# Altium PCB PCB_CK.PcbDoc
Units mm, origin at the board's own origin, x right, y up, seen from the top; angles counter-clockwise.
Board outline 48.06 x 29.99 mm, 2 copper layers (Top Layer, Bottom Layer); 23 components, 31 nets, 82 pads, 71 vias.
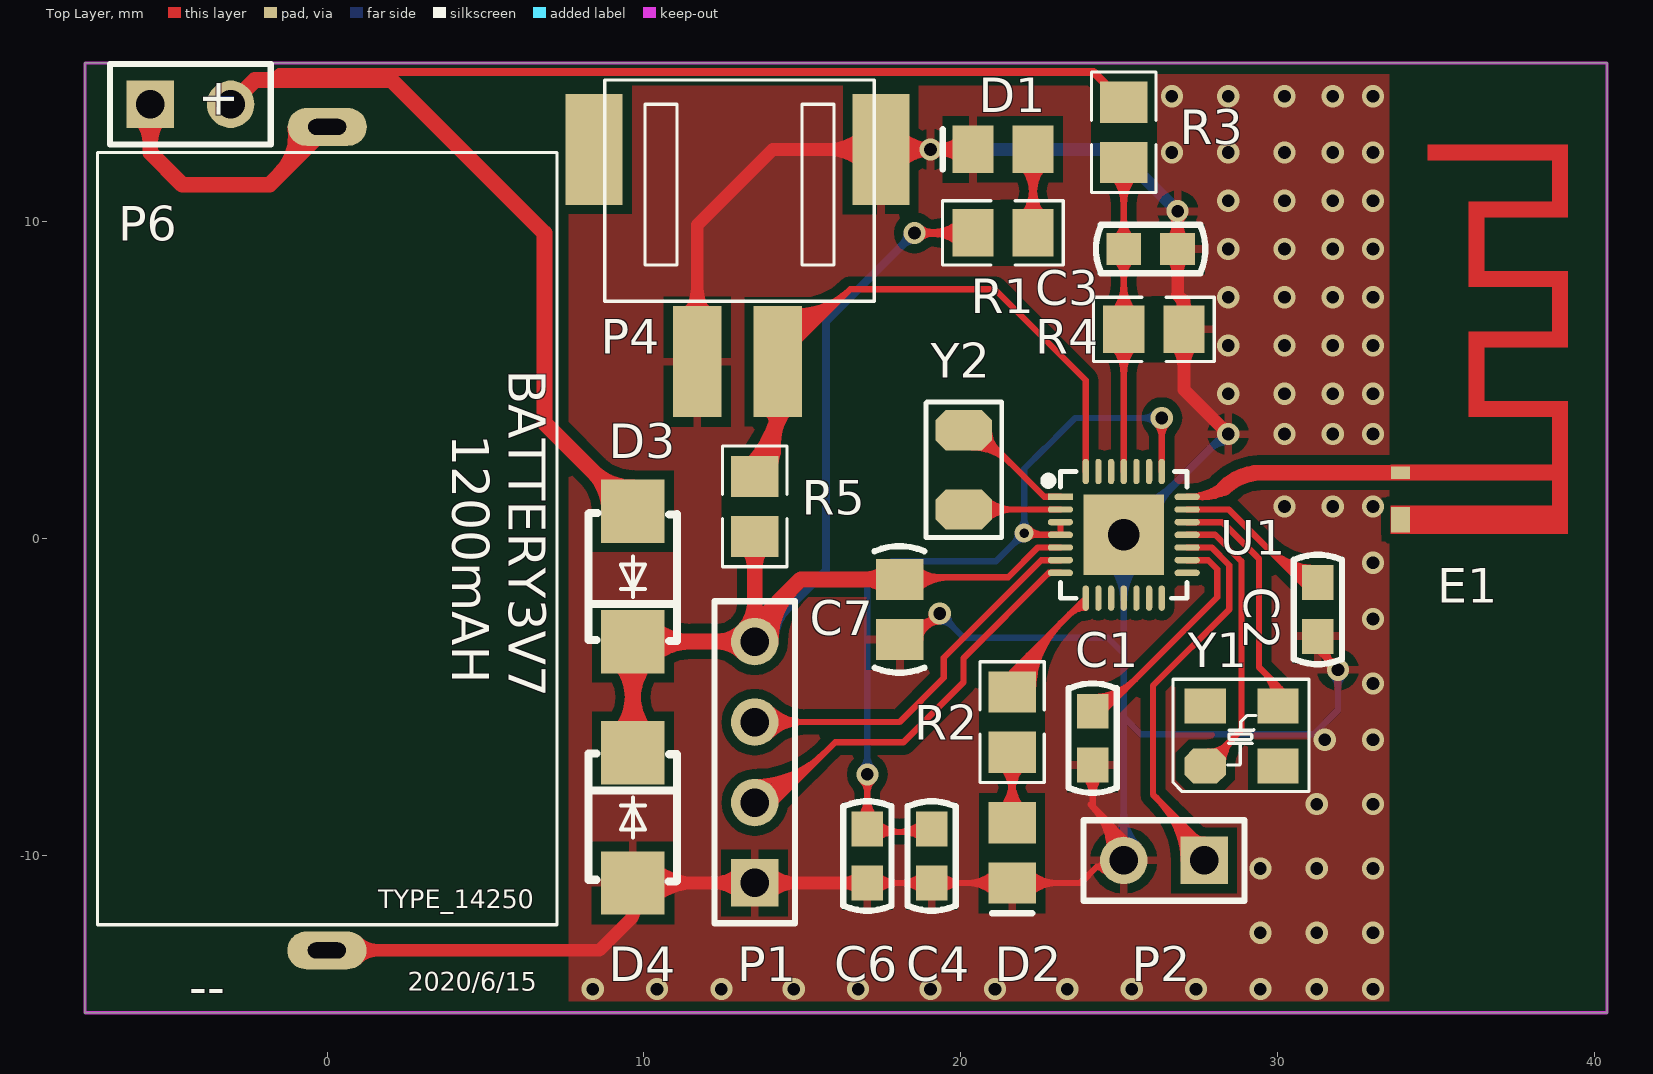
[diagram p0: Top Layer view]
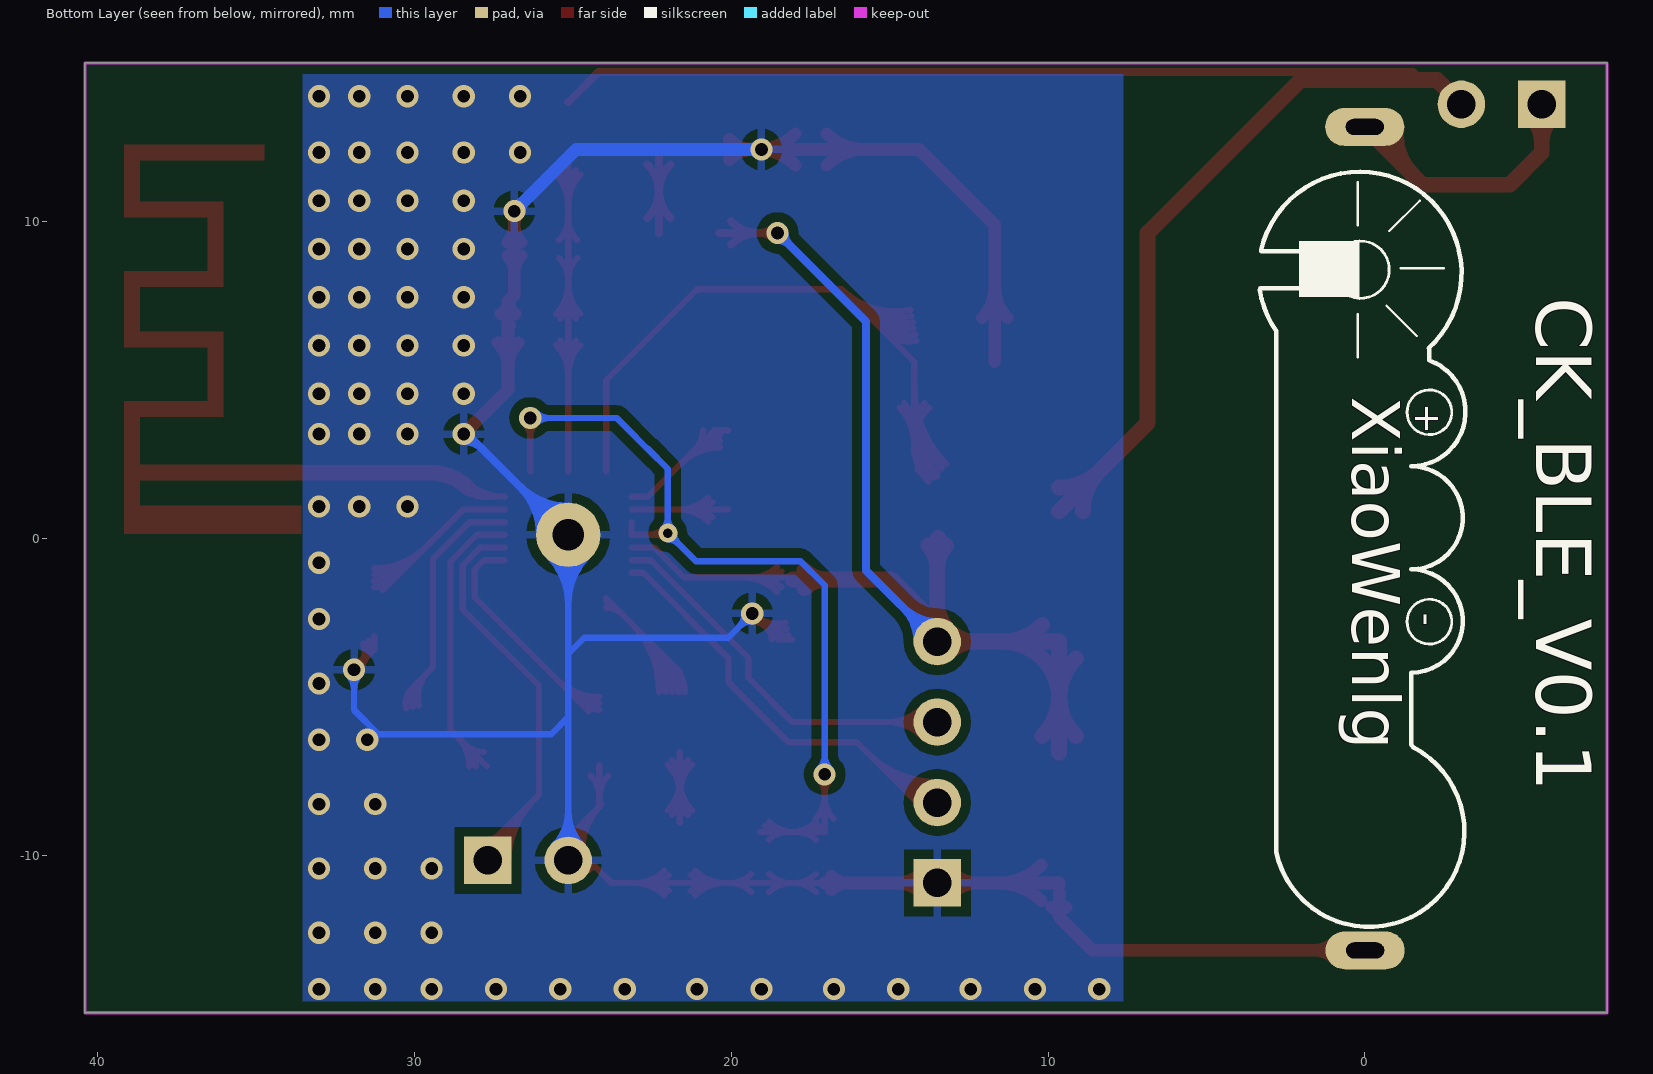
[diagram p1: Bottom Layer view, seen from below]

## Layer stack, top to bottom
Top Layer: signal copper 0.0356
Dielectric: dielectric 0.32, FR-4, Dk 4.8
Bottom Layer: signal copper 0.0356

## Board outline
-7.65,15.02 40.41,15.02 40.41,-14.97 -7.65,-14.97

## Design rules (kind name [scope] priority, off if disabled: settings)
Clearance [All] p1: gap=0.1
ComponentClearance [All] p1: gap=0.254 collisioncheckmode=3 verticalgap=0.254
PolygonConnect [All] p1: connectstyle=Relief reliefconductorwidth=0.254 reliefentries=4 polygonreliefangle="90 Angle"
RoutingVias [All] p1: holewidth=0.4 width=0.7 viastyle="Through Hole" minholewidth=0.3 minwidth=0.5 maxholewidth=0.6 maxwidth=1.5
SolderMaskExpansion [All] p1: expansion=0.102
TestPointUsage [All] p1: valid=0 allowmultiple=FALSE
Testpoint [All] p1: side=15 testpointundercomponent=TRUE minsize=1.016 maxsize=2.54 preferedsize=1.524 minholesize=0 maxholesize=1.016 preferedholesize=0.813 testpointgrid=0.025 style=1023 order=0123456789
Width [All] p1: maxlimit=1.5 minlimit=0.127 preferedwidth=0.254 minimp=50.000000 maximp=50.000000 favimp=50.000000
18 further rules are at their usual default settings.

## Components (designator, comment, footprint, x,y, rotation, side; value= is the part's Value field where it differs from the comment)
C1 "Cap" C-RAD-0603 24.166,-6.3 r270 top
C2 "Cap" C-RAD-0603 31.278,-2.236 r270 top
C3 "Cap" C-RAD-0603 26,9.144 r180 top
C4 "Cap" C-RAD-0603 19.086,-10.022 r270 top
C6 "Cap" C-RAD-0603 17.054,-10.022 r90 top
C7 "Cap" C-RAD-0805 18.07,-2.236 r90 top
D1 "LED0" LED_0805 21.336,12.288 r180 top
D2 "LED0" LED_0805 21.626,-9.922 r270 top
D3 "SK34_C65008" SMA_L4.3-W2.6-LS5.2-RD 9.652,-1.195 r90 top
D4 "TVS" SMA_L4.3-W2.6-LS5.2-RD 9.652,-8.815 r270 top
E1 "ANTENNA" ANT-F-1-2.4G-1.6 33.881,2.082 r270 top
P1 "Header 4" HDR1X4 13.498,-10.872 r90 top
P2 "Header 2" HDR2X1_A 27.69,-10.16 r180 top
P4 "磁控开关" XH2.54 11.684,5.588 r0 top
P6 "Header 2" HDR2X1_A -5.588,13.716 r0 top
R1 "1K" 0805-1 21.336,9.652 r180 top
R2 "1K" 0805-1 21.626,-5.792 r90 top
R3 "54.9K" 0805-1 25.15,12.83 r90 top
R4 "110K" 0805-1 26.1,6.604 r180 top
R5 "10K" 0805-1 13.498,1.016 r90 top
U1 "CH579F" QFN28_4X4 23.15,1.32 r270 top
Y1 "32M" 3225 27.722,-5.284 r0 top
Y2 "32.768K" fc-135 20.102,0.92 r90 top

## Footprints (in the part's own frame and the unit in brackets; to place one, negate y for a bottom-side part, rotate by r counter-clockwise, add the part's x,y. Pads: shape width x height; smd on the part's side, far side on the other; paste and mask are expansions set on the pad)
0805-1 [mm] "贴片带丝印"
  rect 1.3x1.5 smd: 1(-0.95,0) 2(0.95,0)
  silkscreen extent -1.91,-1.02 1.91,1.02, body extent -1.14,-0.51 1.14,0.51, height 1
3225 [mm]
  oct 1.3x1.1 smd: 1(0,-1.9)
  rect 1.3x1.1 smd: 2(2.3,-1.9) 3(2.3,0) 4(0,0)
  silkscreen extent -1.02,-2.7 3.27,0.84
ANT-F-1-2.4G-1.6 [mm]
  rect 0.8x0.6 smd: 0(1.483,0)
  rect 0.4x0.6 smd: 1(0,0)
  Top Layer region: -9.86,4.976 -10.36,4.976 -10.36,0.856 -9.86,0.856
  Top Layer region: -8.06,5.296 -10.36,5.296 -10.36,4.796 -8.06,4.796
  Top Layer region: -8.061,4.977 -8.561,4.977 -8.561,2.157 -8.061,2.157
  Top Layer region: -5.875,2.658 -8.364,2.658 -8.364,2.158 -5.875,2.158
  Top Layer region: -5.861,4.977 -6.361,4.977 -6.361,2.157 -5.861,2.157
  Top Layer region: -3.961,5.297 -6.361,5.297 -6.361,4.797 -3.961,4.797
  Top Layer region: -3.96,4.976 -4.46,4.976 -4.46,2.156 -3.96,2.156
  Top Layer region: -1.85,2.651 -4.39,2.651 -4.39,2.156 -1.85,2.156
  Top Layer region: -1.759,4.978 -2.259,4.978 -2.259,2.158 -1.759,2.158
  Top Layer region: 1.94,5.296 -2.26,5.296 -2.26,4.796 1.94,4.796
  Top Layer region: 1.94,5.002 1.04,5.002 1.04,-0.304 1.94,-0.304
  Top Layer region: 0.24,5.027 -0.26,5.027 -0.26,-0.304 0.24,-0.304
C-RAD-0603 [mm] "贴片电容"
  rect 1.1x1 smd: 1(-0.85,0) 2(0.85,0)
  silkscreen extent -1.73,-0.76 1.73,0.76, body extent -1.14,-0.38 1.14,0.38, height 1
C-RAD-0805 [mm] "贴片电容"
  rect 1.3x1.5 smd: 1(-0.95,0) 2(0.95,0)
  silkscreen extent -2,-0.79 2,0.79, body extent -1.27,-0.64 1.27,0.64, height 0.9
fc-135 [mil]
  oct 50x70 smd: 1(0,0) 2(98.43,0)
  silkscreen extent -35,-47 133,47
HDR1X4 [mm] "Connector; Header; 4 Position"
  rect 1.5x1.5 hole 0.9: 1(0,0)
  round 1.5 hole 0.9: 2(2.54,0) 3(5.08,0) 4(7.62,0)
  silkscreen extent -1.27,-1.27 8.89,1.27
HDR2X1_A [mm] "Connector; Header; 2 Position"
  rect 1.5x1.5 hole 0.9: 1(0,0)
  round 1.5 hole 0.9: 2(2.54,0)
  silkscreen extent -1.27,-1.27 3.81,1.27
LED_0805 [mm] "贴片二极管"
  rect 1.3x1.5 smd: 1(-0.95,0) 2(0.95,0)
  silkscreen extent 1.91,-0.63 1.91,0.64
QFN28_4X4 [mm]
  rect 2.54x2.54 smd: 0(1.2,2)
  round 2.032 hole 1: 0(1.2,2)
  rect 0.2x0.8 smd: 1(0,0)
  oval 0.2x0.8 smd: 2(0.4,0) 3(0.8,0) 4(1.2,0) 5(1.6,0) 6(2,0) 7(2.4,0) 15(2.4,4) 16(2,4) 17(1.6,4) 18(1.2,4) 19(0.8,4) 20(0.4,4) 21(0,4)
  oval 0.8x0.2 smd: 8(3.2,0.8) 9(3.2,1.2) 10(3.2,1.6) 11(3.2,2) 12(3.2,2.4) 13(3.2,2.8) 14(3.2,3.2) 22(-0.8,3.2) 23(-0.8,2.8) 24(-0.8,2.4) 25(-0.8,2) 26(-0.8,1.6) 27(-0.8,1.2) 28(-0.8,0.8)
  silkscreen extent -0.8,-0.51 3.2,4
SMA_L4.3-W2.6-LS5.2-RD [mm]
  rect 2x2 smd: 1(-2.057,0) 2(2.057,0)
  silkscreen extent -2.03,-1.4 2.01,1.4
XH2.54 [mm] "XH2.54-卧贴"
  rect 1.524x3.5 smd: 1(2.54,0) 2(0,0)
  rect 1.8x3.5 smd: 2(5.8,6.7) 3(-3.26,6.7)
  silkscreen extent -2.92,1.91 5.59,8.89

## Part data
C1 C2 C3 C4 C6 C7: "无极性电容"
D1 D2: "发光二极管"
D3: library part Diode, "二极管"
D4: library part SK34_C65008
E1: "Generic Antenna"
P1: "Header, 4-Pin"
P2 P6: "接插件"
P4: library part "Header 2", "接插件"
R1 R2 R3 R4 R5: library part Res1, "贴片电阻"
U1: "ARM M0 MCU with Bluetooth-LowEnergy+Zigbee+Ethernet+USB"
Y1 Y2: library part XTAL, "Crystal Oscillator"

## Free pads (board coordinates)
  oval 2.5x1.2 hole 0.5 slot 1.2 at 0 deg: 1(-0.01,-13) 1(0,13)

## Via types
v1: diameter 0.7, hole 0.4, Top Layer to Bottom Layer, 70 vias
v2: diameter 0.6, hole 0.3, Top Layer to Bottom Layer, 1 vias

## Nets (pads, with @x,y where several pads share a name; then routed paths per layer and width w, separated by ;. In a path a pad name is that pad's centre, name@x,y a point inside that pad or via, vN(x,y) a via of type N, cw(c..) or ccw(c..) an arc to the next point about the centre after c; other vN are vias at no path point)
+3V3: C7.2 D3.1 D4.1 P1.4 R1.2 R5.1 U1.5 | length 80.5
  Top Layer w0.2: 15.022,-1.22 21.499,-1.22 22.439,-0.28 U1.5 ; 16.483,-1.22 cw(c16.483,-2.773) 17.581,-1.675 ccw(c16.483,-2.773) 16.483,-1.22 ; 16.802,-1.22 ccw(c16.802,-0.118) 17.581,-0.897 cw(c16.802,-0.118) 16.802,-1.22 ; 16.966,-1.22 cw(c16.966,-2.29) 17.723,-1.533 ccw(c16.966,-2.29) 16.966,-1.22 ; 17.284,-1.22 ccw(c17.284,-0.6) 17.723,-1.039 cw(c17.284,-0.6) 17.284,-1.22 ; C7.2@18.417,-1.533 cw(c19.174,-2.29) 19.174,-1.22 ccw(c19.174,-2.29) C7.2@18.417,-1.533 ; C7.2@18.417,-1.039 ccw(c18.856,-0.6) 18.856,-1.22 cw(c18.856,-0.6) C7.2@18.417,-1.039 ; C7.2@18.559,-1.675 cw(c19.657,-2.773) 19.657,-1.22 ccw(c19.657,-2.773) C7.2@18.559,-1.675 ; C7.2@18.559,-0.897 ccw(c19.338,-0.118) 19.338,-1.22 cw(c19.338,-0.118) C7.2@18.559,-0.897
  Top Layer w0.254: v1(18.542,9.652) R1.2 ; v1@18.7,9.494 cw(c19.08,9.114) 19.08,9.652 cw(c19.08,10.19) v1@18.7,9.81 ; R1.2@20.016,9.282 ccw(c19.123,8.389) 19.123,9.652 ccw(c19.123,10.915) R1.2@20.016,10.022
  Top Layer w0.5: D4.1@9.122,-6.227 ccw(c7.841,-4.947) 9.652,-4.947 ccw(c11.463,-4.947) D4.1@10.182,-6.227 ; D3.1@9.122,-3.782 cw(c7.841,-5.063) 9.652,-5.063 cw(c11.463,-5.063) 10.182,-3.782 cw(c11.463,-5.063) 11.463,-3.252 cw(c11.463,-1.441) D3.1@10.182,-2.722 ; D4.1 D3.1 P1.4 ; P1.4@13.144,-3.606 ccw(c12.291,-4.459) 12.291,-3.252 ccw(c12.291,-2.045) 13.144,-2.898 ccw(c12.291,-2.045) 13.498,-2.045 ccw(c14.705,-2.045) P1.4@13.852,-2.898 ; R5.1@13.215,-0.217 cw(c12.532,-0.9) 13.498,-0.9 cw(c14.464,-0.9) R5.1@13.781,-0.217 ; R5.1@13.462,0 13.462,0.03 13.498,-0.006 P1.4 ; P1.4@13.498,-2.744 14.956,-1.286 C7.2 ; 13.857,-2.385 ccw(c14.724,-3.252) P1.4 ; P1.4@13.998,-3.252 cw(c16.432,-3.252) 14.711,-1.531 ; C7.2@17.687,-1.569 ccw(c17.004,-2.252) 17.004,-1.286 ccw(c17.004,-0.32) C7.2@17.687,-1.003
  Bottom Layer w0.254: P1.4 15.748,-1.002 15.748,6.858 v1(18.542,9.652) ; P1.4@13.498,-2.883 ccw(c13.498,-1.992) 14.128,-2.622 ccw(c14.758,-3.252) P1.4@13.867,-3.252 ; P1.4@13.498,-2.629 ccw(c13.498,-1.125) 14.562,-2.188 ccw(c15.625,-3.252) P1.4@14.121,-3.252 ; v1@18.319,9.652 cw(c17.781,9.652) 18.161,9.271 cw(c18.542,8.891) v1@18.542,9.429
ADC: D3.2 P6.2 R3.2 | length 52.4
  Top Layer w0.254: -1.778,14.478 -1.524,14.732 24.198,14.732 R3.2
  Top Layer w0.5: P6.2 -2.286,14.478 2.032,14.478 6.858,9.652 6.858,3.657 D3.2 ; D3.2@8.902,0.863 ccw(c7.091,0.863) 8.372,2.143 ccw(c9.652,3.423) D3.2@9.652,1.613
ANT: E1.1 U1.21 | length 9.6
  Top Layer w0.2: U1.21 ccw(c27.15,3.107) 28.413,1.843 cw(c28.99,1.267) 28.99,2.082 ; U1.21@27.43,1.32 ccw(c27.645,2.835) 28.98,2.087
  Top Layer w0.5: 28.308,1.589 cw(c29.498,0.4) 29.498,2.082 E1.1
BATTERY+3V7: P6.1 pad.1@0,13 | length 12.8
  Top Layer w0.5: P6.1@-5.942,13.362 cw(c-6.795,12.509) -5.588,12.509 cw(c-4.381,12.509) P6.1@-5.234,13.362 ; P6.1 -5.588,12.192 -4.572,11.176 -1.824,11.176 pad.1@0,13 ; -1.499,11.501 ccw(c-2.741,12.743) pad.1@-0.997,12.957 ; -0.774,12.226 ccw(c-1.45,12.902) pad.1@-0.501,13.018 ; pad.1@-0.049,12.951 ccw(c-0.158,13.06) pad.1@-0.005,13.079
BOOT: P2.1 U1.17 | length 27.7
  Top Layer w0.2: 26.163,-8.17 cw(c23.97,-10.364) P2.1@27.072,-10.364 ; 26.253,-8.26 cw(c24.353,-10.16) P2.1@27.04,-10.16 ; 26.505,-8.512 cw(c24.653,-10.364) P2.1@27.272,-10.364 ; 26.594,-8.601 cw(c25.036,-10.16) P2.1@27.24,-10.16 ; 26.846,-8.853 cw(c25.335,-10.364) P2.1@27.472,-10.364 ; 26.936,-8.943 cw(c25.719,-10.16) P2.1@27.44,-10.16 ; U1.17 27.925,-0.28 28.484,-0.839 28.484,-2.236 26.071,-4.649 26.071,-8.078 27.722,-9.729 P2.1@27.722,-10.364 ; 27.188,-9.195 cw(c26.018,-10.364) P2.1@27.672,-10.364 ; 27.277,-9.284 cw(c26.402,-10.16) P2.1@27.64,-10.16 ; 27.371,-9.378 ccw(c27.69,-9.059) P2.1@27.69,-9.51 ; P2.1@27.529,-9.536 cw(c26.701,-10.364) P2.1@27.872,-10.364
GND: C1.2 C2.2 C3.1 C4.2 C6.1 C7.1 D1.2 D2.2 D4.2 P1.1 P2.2 P4.2 pad.1@-0.01,-13 R4.1 U1.0 | length 219
  Top Layer w0.2: P1.1@13.816,-11.19 cw(c14.584,-11.958) 14.584,-10.872 cw(c14.584,-9.786) P1.1@13.816,-10.554 ; P1.1@13.958,-11.332 cw(c15.067,-12.441) 15.067,-10.872 cw(c15.067,-9.303) P1.1@13.958,-10.412 ; C6.1@16.771,-11.155 ccw(c16.088,-11.838) 16.088,-10.872 ccw(c16.088,-9.906) C6.1@16.771,-10.589 ; C6.1 23.785,-10.872 24.293,-10.364 ; C7.1 18.517,-3.186 v1(19.34,-2.363) ; 24.102,-8.395 cw(c22.619,-9.877) P2.2@24.703,-10.11 ; C1.2 24.166,-8.459 P2.2@25.182,-9.475 ; 24.396,-8.689 cw(c23.148,-9.936) P2.2@24.902,-10.132 ; P2.2@24.5,-10.158 cw(c24.293,-10.157) 24.293,-10.364 ; P2.2@24.512,-10.468 ccw(c24.293,-10.647) 24.293,-10.364 ; P2.2@24.563,-10.167 cw(c24.293,-10.081) 24.293,-10.364 ; P2.2@24.618,-10.533 ccw(c24.293,-10.76) 24.293,-10.364 ; 24.69,-8.983 cw(c23.677,-9.995) P2.2@25.1,-10.154 ; 24.984,-9.277 cw(c24.206,-10.055) P2.2@25.299,-10.177 ; P2.2@24.985,-9.745 ccw(c24.899,-9.475) P2.2@25.182,-9.475 ; P2.2@25.379,-9.745 cw(c25.465,-9.475) P2.2@25.182,-9.475 ; C2.2 31.278,-3.506 v1(31.913,-4.141) ; 18.02,-10.872 cw(c18.02,-9.906) 17.337,-10.589 ccw(c18.02,-9.906) 18.02,-10.872 ; 18.02,-10.872 ccw(c18.02,-11.838) 17.337,-11.155 cw(c18.02,-11.838) 18.02,-10.872 ; 18.12,-10.872 cw(c18.12,-11.838) 18.803,-11.155 ccw(c18.12,-11.838) 18.12,-10.872 ; 18.12,-10.872 ccw(c18.12,-9.906) 18.803,-10.589 cw(c18.12,-9.906) 18.12,-10.872 ; 18.913,-2.79 cw(c19.34,-3.217) 19.34,-2.613 ccw(c19.34,-3.217) 18.913,-2.79 ; 18.913,-2.79 ccw(c18.486,-2.363) 19.09,-2.363 cw(c18.486,-2.363) 18.913,-2.79 ; v1(19.34,-2.363) cw(c18.565,-1.588) 18.302,-2.652 ccw(c18.565,-1.588) v1(19.34,-2.363) ; 20.052,-10.872 cw(c20.052,-9.906) 19.369,-10.589 ccw(c20.052,-9.906) 20.052,-10.872 ; 20.052,-10.872 ccw(c20.052,-11.838) 19.369,-11.155 cw(c20.052,-11.838) 20.052,-10.872 ; 20.198,-10.872 cw(c20.198,-12.2) 21.137,-11.261 ccw(c20.198,-12.2) 20.198,-10.872 ; 20.198,-10.872 ccw(c20.198,-9.544) 21.137,-10.483 cw(c20.198,-9.544) 20.198,-10.872 ; 20.681,-10.872 cw(c20.681,-11.717) 21.279,-11.119 ccw(c20.681,-11.717) 20.681,-10.872 ; 20.681,-10.872 ccw(c20.681,-10.027) 21.279,-10.625 cw(c20.681,-10.027) 20.681,-10.872 ; 22.571,-10.872 cw(c22.571,-10.027) 21.973,-10.625 ccw(c22.571,-10.027) 22.571,-10.872 ; 22.571,-10.872 ccw(c22.571,-11.717) 21.973,-11.119 cw(c22.571,-11.717) 22.571,-10.872 ; 23.054,-10.872 cw(c23.054,-9.544) 22.115,-10.483 ccw(c23.054,-9.544) 23.054,-10.872 ; 23.054,-10.872 ccw(c23.054,-12.2) 22.115,-11.261 cw(c23.054,-12.2) 23.054,-10.872 ; 24.166,-8.166 cw(c25.132,-8.166) 24.449,-7.483 ccw(c25.132,-8.166) 24.166,-8.166 ; 24.166,-8.166 ccw(c23.2,-8.166) 23.883,-7.483 cw(c23.2,-8.166) 24.166,-8.166 ; 24.293,-10.364 25.182,-10.364 P2.2@25.182,-9.475 ; 31.486,-3.714 cw(c31.059,-4.141) 31.663,-4.141 ccw(c31.059,-4.141) 31.486,-3.714 ; 31.486,-3.714 ccw(c31.913,-3.287) 31.913,-3.891 cw(c31.913,-3.287) 31.486,-3.714 ; C7.1@18.206,-3.04 ccw(c18.366,-2.392) 18.839,-2.864 cw(c18.366,-2.392) C7.1@18.206,-3.04 ; C7.1@18.254,-2.846 ccw(c18.466,-1.99) 19.089,-2.614 cw(c18.466,-1.99) C7.1@18.254,-2.846 ; C7.1@18.72,-3.186 cw(c19.21,-3.186) 18.864,-2.839 ccw(c19.21,-3.186) C7.1@18.72,-3.186 ; C2.2@31.455,-3.229 ccw(c31.858,-3.442) 31.536,-3.764 cw(c31.858,-3.442) C2.2@31.455,-3.229 ; C2.2@31.632,-3.322 ccw(c32.11,-3.574) 31.728,-3.956 cw(c32.11,-3.574) C2.2@31.632,-3.322
  Top Layer w0.254: P1.1@13.057,-11.313 ccw(c11.994,-12.376) 11.994,-10.872 ccw(c11.994,-9.368) P1.1@13.057,-10.431 ; P1.1@13.237,-11.133 ccw(c12.607,-11.763) 12.607,-10.872 ccw(c12.607,-9.981) P1.1@13.237,-10.611
  Top Layer w0.4: pad.1@-0.01,-13 8.59,-13 9.652,-11.938 ; pad.1@0.923,-13.283 cw(c1.606,-13.966) 1.606,-13 cw(c1.606,-12.034) pad.1@0.923,-12.717 ; D4.2@9.428,-11.64 cw(c9.342,-11.938) 9.652,-11.938 ; D4.2@9.652,-11.176 9.652,-11.938 ; D4.2@9.652,-10.922 D4.2 C6.1 ; D4.2@9.876,-11.64 ccw(c9.962,-11.938) 9.652,-11.938 ; D4.2@10.218,-11.438 cw(c11.583,-12.803) 11.583,-10.872 cw(c11.583,-8.941) D4.2@10.218,-10.306 ; P4.2@11.287,6.973 ccw(c10.327,7.933) 11.684,7.933 ccw(c13.041,7.933) P4.2@12.081,6.973 ; P4.2@11.684,5.588 11.684,9.906 14.066,12.288 D1.2 ; P1.1@13.109,-11.261 ccw(c12.17,-12.2) 12.17,-10.872 ccw(c12.17,-9.544) P1.1@13.109,-10.483 ; P1.1@13.887,-11.261 cw(c14.826,-12.2) 14.826,-10.872 cw(c14.826,-9.544) P1.1@13.887,-10.483 ; C6.1@16.842,-11.084 ccw(c16.33,-11.596) 16.33,-10.872 ccw(c16.33,-10.148) C6.1@16.842,-10.66 ; P4.2@16.989,11.793 ccw(c15.794,10.598) 15.794,12.288 ccw(c15.794,13.978) P4.2@16.989,12.783 ; P4.2@17.979,11.793 cw(c19.174,10.598) 19.174,12.288 cw(c19.174,13.978) P4.2@17.979,12.783 ; v1@18.944,12.182 ccw(c18.688,11.926) 18.688,12.288 ccw(c18.688,12.65) v1@18.944,12.394 ; v1@19.156,12.182 cw(c19.412,11.926) 19.412,12.288 cw(c19.412,12.65) v1@19.156,12.394 ; D1.2@20.068,11.97 ccw(c19.3,11.202) 19.3,12.288 ccw(c19.3,13.374) D1.2@20.068,12.606 ; C3.1@26.638,8.932 cw(c26.126,8.42) 26.85,8.42 cw(c27.574,8.42) C3.1@27.062,8.932 ; C3.1@26.638,9.356 ccw(c26.126,9.868) 26.85,9.868 ccw(c27.574,9.868) C3.1@27.062,9.356 ; R4.1@26.732,6.186 cw(c25.964,5.418) 27.05,5.418 cw(c28.136,5.418) R4.1@27.368,6.186 ; v1@26.744,10.234 cw(c26.488,9.978) 26.85,9.978 cw(c27.212,9.978) v1@26.956,10.234 ; R4.1@26.82,7.091 ccw(c26.582,7.494) 27.05,7.494 ; 26.848,7.696 cw(c26.253,7.102) R4.1@27.005,6.726 ; v1(26.85,10.34) 26.85,7.694 27.05,7.494 ; R4.1@27.28,7.091 cw(c27.518,7.494) 27.05,7.494 ; v1@28.298,3.302 ccw(c27.936,3.302) 28.192,3.558 ccw(c28.448,3.814) v1@28.448,3.452 ; v1(28.448,3.302) 27.05,4.7 27.05,7.494
  Bottom Layer w0.2: v1(19.34,-2.363) 20.102,-3.125 24.642,-3.125 25.15,-3.633 ; P2.2@24.69,-9.7 ccw(c23.581,-8.591) 25.15,-8.591 ccw(c26.719,-8.591) P2.2@25.61,-9.7 ; P2.2@24.722,-9.904 ccw(c23.69,-8.872) 25.15,-8.872 ; P2.2@24.832,-9.842 ccw(c24.064,-9.074) 25.15,-9.074 ccw(c26.236,-9.074) P2.2@25.468,-9.842 ; P2.2@24.864,-10.046 ccw(c24.173,-9.355) 25.15,-9.355 ; 25.15,-9.2 ccw(c26.346,-9.2) P2.2@25.5,-10.046 ; 25.15,-8.718 ccw(c26.828,-8.718) P2.2@25.642,-9.904 ; 25.15,-5.633 25.69,-6.173 31.151,-6.173 31.913,-5.411 v1(31.913,-4.141) ; U1.0@25.15,0.12 25.15,-10.332 P2.2@25.182,-10.364 ; 19.767,-2.79 cw(c20.194,-2.363) 19.59,-2.363 ccw(c20.194,-2.363) 19.767,-2.79 ; 19.767,-2.79 ccw(c19.34,-3.217) 19.34,-2.613 cw(c19.34,-3.217) 19.767,-2.79 ; 25.15,-2.091 cw(c27.361,-2.091) 25.798,-0.528 ccw(c27.361,-2.091) 25.15,-2.091 ; 25.15,-2.091 ccw(c22.939,-2.091) 24.502,-0.528 cw(c22.939,-2.091) 25.15,-2.091 ; 25.15,-1.609 cw(c26.879,-1.609) 25.656,-0.386 ccw(c26.879,-1.609) 25.15,-1.609 ; 25.15,-1.609 ccw(c23.421,-1.609) 24.644,-0.386 cw(c23.421,-1.609) 25.15,-1.609 ; 25.15,-1.126 cw(c26.396,-1.126) 25.515,-0.245 ccw(c26.396,-1.126) 25.15,-1.126 ; 25.15,-1.126 ccw(c23.904,-1.126) 24.785,-0.245 cw(c23.904,-1.126) 25.15,-1.126 ; 31.913,-4.745 cw(c32.517,-4.745) 32.09,-4.318 ccw(c32.517,-4.745) 31.913,-4.745 ; 31.913,-4.745 ccw(c31.309,-4.745) 31.736,-4.318 cw(c31.309,-4.745) 31.913,-4.745
  Bottom Layer w0.254: U1.0@25.15,0.12 v1@28.448,3.418 ; 27.869,2.839 cw(c28.448,2.261) v1@28.448,3.079 ; 26.234,1.204 cw(c25.15,2.288) 25.15,0.755 ccw(c25.15,2.288) 26.234,1.204 ; 26.234,1.204 ccw(c27.318,0.12) 25.785,0.12 cw(c27.318,0.12) 26.234,1.204 ; 26.668,1.638 cw(c25.15,3.155) 25.15,1.009 ccw(c25.15,3.155) 26.668,1.638 ; 26.668,1.638 ccw(c28.185,0.12) 26.039,0.12 cw(c28.185,0.12) 26.668,1.638
  Bottom Layer w0.4: v1(19.05,12.288) 24.902,12.288 v1(26.85,10.34) ; v1@19.156,12.182 cw(c19.412,11.926) 19.412,12.288 cw(c19.412,12.65) v1@19.156,12.394 ; v1@26.7,10.34 ccw(c26.338,10.34) 26.594,10.596 ccw(c26.85,10.852) v1@26.85,10.49
  other v1: 8.382,-14.224 10.414,-14.224 12.446,-14.224 14.732,-14.224 16.764,-14.224 19.05,-14.224 21.082,-14.224 23.368,-14.224 25.4,-14.224 27.432,-14.224 29.464,-14.224 31.242,-14.224 33.02,-14.224 29.464,-12.446 31.242,-12.446 33.02,-12.446 29.464,-10.414 31.242,-10.414 33.02,-10.414 31.242,-8.382 33.02,-8.382 31.496,-6.35 33.02,-6.35 33.02,-4.572 33.02,-2.54 33.02,-0.762 30.226,1.016 31.75,1.016 33.02,1.016 30.226,3.302 31.75,3.302 33.02,3.302 28.448,4.572 30.226,4.572 31.75,4.572 33.02,4.572 28.448,6.096 30.226,6.096 31.75,6.096 33.02,6.096 28.448,7.62 30.226,7.62 31.75,7.62 33.02,7.62 28.448,9.144 30.226,9.144 31.75,9.144 33.02,9.144 28.448,10.668 30.226,10.668 31.75,10.668 33.02,10.668 26.67,12.192 28.448,12.192 30.226,12.192 31.75,12.192 33.02,12.192 26.67,13.97 28.448,13.97 30.226,13.97 31.75,13.97 33.02,13.97
NetD1_1: D1.1 R1.1 | length 6.6
  Top Layer w0.254: R1.1@21.916,10.122 ccw(c21.023,11.015) 22.286,11.015 ccw(c23.549,11.015) R1.1@22.656,10.122 ; D1.1@21.916,11.818 cw(c21.023,10.925) 22.286,10.925 cw(c23.549,10.925) D1.1@22.656,11.818 ; R1.1 D1.1
NetD2_1: D2.1 R2.1 | length 15.9
  Top Layer w0.2: D2.1 R2.1 ; 21.626,-8.127 cw(c20.781,-8.127) 21.379,-8.724 ccw(c20.781,-8.127) 21.626,-8.127 ; 21.626,-8.127 ccw(c22.471,-8.127) 21.873,-8.724 cw(c22.471,-8.127) 21.626,-8.127 ; 21.626,-8.07 cw(c22.954,-8.07) 22.015,-7.131 ccw(c22.954,-8.07) 21.626,-8.07 ; 21.626,-8.07 ccw(c20.298,-8.07) 21.237,-7.131 cw(c20.298,-8.07) 21.626,-8.07 ; 21.626,-7.644 cw(c20.298,-7.644) 21.237,-8.583 ccw(c20.298,-7.644) 21.626,-7.644 ; 21.626,-7.644 ccw(c22.954,-7.644) 22.015,-8.583 cw(c22.954,-7.644) 21.626,-7.644 ; 21.626,-7.587 cw(c22.471,-7.587) 21.873,-6.989 ccw(c22.471,-7.587) 21.626,-7.587 ; 21.626,-7.587 ccw(c20.781,-7.587) 21.379,-6.989 cw(c20.781,-7.587) 21.626,-7.587
PA4: U1.23
PA5: U1.24
PA8: P1.3 U1.6 | length 20.5
  Top Layer w0.2: P1.3 18.07,-5.792 19.467,-4.395 19.467,-3.76 22.547,-0.68 U1.6 ; 14.584,-5.792 cw(c14.584,-4.706) 13.816,-5.474 ccw(c14.584,-4.706) 14.584,-5.792 ; 14.584,-5.792 ccw(c14.584,-6.878) 13.816,-6.11 cw(c14.584,-6.878) 14.584,-5.792 ; 15.067,-5.792 cw(c15.067,-4.223) 13.958,-5.332 ccw(c15.067,-4.223) 15.067,-5.792 ; 15.067,-5.792 ccw(c15.067,-7.361) 13.958,-6.252 cw(c15.067,-7.361) 15.067,-5.792
PA9: P1.2 U1.7 | length 30.1
  Top Layer w0.2: P1.2 14.133,-8.332 16.038,-6.427 18.197,-6.427 20.088,-4.536 20.088,-3.774 22.782,-1.08 U1.7 ; P1.2@13.498,-8.482 ccw(c13.498,-7.311) 14.326,-8.139 cw(c13.498,-7.311) P1.2@13.498,-8.482 ; P1.2@13.498,-8.282 ccw(c13.498,-6.628) 14.667,-7.798 cw(c13.498,-6.628) P1.2@13.498,-8.282 ; P1.2@13.498,-8.082 ccw(c13.498,-5.945) 15.009,-7.456 cw(c13.498,-5.945) P1.2@13.498,-8.082 ; P1.2@13.498,-7.882 ccw(c13.498,-5.263) 15.35,-7.115 cw(c13.498,-5.263) P1.2@13.498,-7.882 ; P1.2@13.498,-7.682 ccw(c13.498,-4.58) 15.692,-6.773 cw(c13.498,-4.58) P1.2@13.498,-7.682 ; 22.734,-1.128 cw(c22.85,-1.244) 22.85,-1.08 ccw(c22.85,-1.244) 22.734,-1.128
PA10: U1.2 Y2.1 | length 9.6
  Top Layer w0.2: Y2.1 U1.2 ; 21.165,0.92 cw(c21.165,1.729) 20.593,1.157 ccw(c21.165,1.729) 21.165,0.92 ; 21.165,0.92 ccw(c21.165,0.111) 20.593,0.683 cw(c21.165,0.111) 21.165,0.92 ; 21.648,0.92 cw(c21.648,2.212) 20.734,1.298 ccw(c21.648,2.212) 21.648,0.92 ; 21.648,0.92 ccw(c21.648,-0.372) 20.734,0.542 cw(c21.648,-0.372) 21.648,0.92
PA11: U1.1 Y2.2 | length 11.2
  Top Layer w0.2: Y2.2 20.542,3.42 22.642,1.32 U1.1 ; Y2.2@20.356,2.885 cw(c20.356,1.144) 21.587,2.375 ccw(c20.356,1.144) Y2.2@20.356,2.885 ; Y2.2@20.356,3.085 cw(c20.356,1.827) 21.245,2.717 ccw(c20.356,1.827) Y2.2@20.356,3.085 ; Y2.2@20.356,3.285 cw(c20.356,2.51) 20.904,3.058 ccw(c20.356,2.51) Y2.2@20.356,3.285 ; Y2.2@20.891,3.42 ccw(c21.734,3.42) 21.138,2.824 cw(c21.734,3.42) Y2.2@20.891,3.42
PA12: P4.1 R5.2 U1.28 | length 44.7
  Top Layer w0.2: R5.2@13.209,2.355 ccw(c10.759,4.805) P4.1@14.224,4.805 ; R5.2@13.351,2.213 ccw(c11.242,4.322) P4.1@14.224,4.322 ; R5.2@13.492,2.072 ccw(c11.725,3.839) P4.1@14.224,3.839 ; R5.2 14.224,2.692 ; R5.2@13.633,1.931 ccw(c12.207,3.357) 14.224,3.357 ; R5.2@13.677,2.51 ccw(c13.769,3.147) 14.224,2.692 ; P4.1@13.756,4.132 cw(c12.626,3.002) 14.224,3.002 cw(c15.822,3.002) P4.1@14.692,4.132 ; R5.2@13.775,1.789 ccw(c12.69,2.874) 14.224,2.874 ; P4.1@13.897,4.273 cw(c13.109,3.485) 14.224,3.485 cw(c15.339,3.485) P4.1@14.551,4.273 ; R5.2@13.925,2.091 cw(c14.26,2.22) R5.2@14.006,2.474 ; R5.2@14.111,2.163 cw(c14.575,2.341) 14.224,2.692 ; P4.1@14.157,6.245 ccw(c14.384,7.366) 15.193,6.557 ; P4.1@14.197,6.441 ccw(c14.473,7.804) 15.456,6.82 ; P4.1@14.236,6.637 ccw(c14.562,8.242) 15.72,7.084 ; P4.1@14.276,6.833 ccw(c14.651,8.68) 15.983,7.347 ; P4.1@14.316,7.029 ccw(c14.739,9.118) 16.247,7.611 ; P4.1@14.356,7.225 ccw(c14.828,9.556) 16.51,7.874 ; U1.28 23.95,5.006 21.082,7.874 16.51,7.874 ; 14.224,2.692 P4.1 16.51,7.874
PA13: U1.27
PA14: U1.26
PA15: C3.2 R3.1 R4.2 U1.25 | length 23
  Top Layer w0.2: R4.2@24.761,6.115 cw(c23.822,5.176) 25.15,5.176 cw(c26.478,5.176) R4.2@25.539,6.115 ; R4.2@24.761,7.093 ccw(c23.822,8.032) 25.15,8.032 ccw(c26.478,8.032) R4.2@25.539,7.093 ; R3.1@24.761,11.491 cw(c23.822,10.552) 25.15,10.552 cw(c26.478,10.552) R3.1@25.539,11.491 ; C3.2@24.867,8.861 cw(c24.184,8.178) 25.15,8.178 cw(c26.116,8.178) C3.2@25.433,8.861 ; C3.2@24.867,9.427 ccw(c24.184,10.11) 25.15,10.11 ccw(c26.116,10.11) C3.2@25.433,9.427 ; R4.2@24.903,6.257 cw(c24.305,5.659) 25.15,5.659 cw(c25.995,5.659) R4.2@25.397,6.257 ; R4.2@24.903,6.951 ccw(c24.305,7.549) 25.15,7.549 ccw(c25.995,7.549) R4.2@25.397,6.951 ; R3.1@24.903,11.633 cw(c24.305,11.035) 25.15,11.035 cw(c25.995,11.035) R3.1@25.397,11.633 ; U1.25 R3.1
PB4: U1.15
PB7: U1.14
PB10: U1.13
PB11: U1.12
PB12: U1.11
PB13: U1.10
PB14: U1.9
PB15: R2.2 U1.8 | length 22.3
  Top Layer w0.2: R2.2 21.626,-4.204 U1.8 ; R2.2@21.476,-4.842 cw(c22.654,-4.842) 21.821,-4.009 ccw(c22.654,-4.842) R2.2@21.476,-4.842 ; R2.2@21.676,-4.842 cw(c23.337,-4.842) 22.162,-3.668 ccw(c23.337,-4.842) R2.2@21.676,-4.842 ; R2.2@21.876,-4.842 cw(c24.02,-4.842) 22.504,-3.326 ccw(c24.02,-4.842) R2.2@21.876,-4.842 ; R2.2@22.076,-4.842 cw(c24.703,-4.842) 22.845,-2.985 ccw(c24.703,-4.842) R2.2@22.076,-4.842 ; R2.2@22.276,-4.842 cw(c25.386,-4.842) 23.187,-2.643 ccw(c25.386,-4.842) R2.2@22.276,-4.842 ; 23.438,-2.392 cw(c23.95,-2.904) 23.95,-2.18 ccw(c23.95,-2.904) 23.438,-2.392 ; 23.779,-2.051 cw(c23.95,-2.221) 23.95,-1.98 ccw(c23.95,-2.221) 23.779,-2.051
PB23: C1.1 U1.16 | length 13.8
  Top Layer w0.2: C1.1@24.508,-5.45 28.103,-1.855 28.103,-0.966 27.817,-0.68 U1.16 ; C1.1@24.166,-5.4 ccw(c24.166,-4.454) 24.835,-5.123 cw(c24.166,-4.454) C1.1@24.166,-5.4 ; C1.1@24.166,-5.2 ccw(c24.166,-3.771) 25.177,-4.781 cw(c24.166,-3.771) C1.1@24.166,-5.2 ; C1.1@24.166,-5 ccw(c24.166,-3.088) 25.518,-4.44 cw(c24.166,-3.088) C1.1@24.166,-5
VDCIA: C4.1 C6.2 U1.3 U1.4 U1.22 | length 47.3
  Top Layer w0.2: C6.2@17.054,-9.26 C4.1@19.086,-9.26 ; C6.2 v1(17.054,-7.443) ; v2@22.007,0.12 U1.4 U1.3 ; v1@26.173,3.633 cw(c25.746,3.206) 26.35,3.206 cw(c26.954,3.206) v1@26.527,3.633 ; U1.22 v1(26.35,3.81) ; 17.054,-8.156 cw(c16.088,-8.156) 16.771,-8.839 ccw(c16.088,-8.156) 17.054,-8.156 ; 17.054,-8.156 ccw(c18.02,-8.156) 17.337,-8.839 cw(c18.02,-8.156) 17.054,-8.156 ; 17.054,-8.047 cw(c17.658,-8.047) 17.231,-7.62 ccw(c17.658,-8.047) 17.054,-8.047 ; 17.054,-8.047 ccw(c16.45,-8.047) 16.877,-7.62 cw(c16.45,-8.047) 17.054,-8.047 ; C6.2@17.195,-9.081 ccw(c17.629,-8.647) 17.629,-9.26 cw(c17.629,-8.647) C6.2@17.195,-9.081 ; C6.2@17.337,-9.505 cw(c17.928,-10.096) 17.928,-9.26 ccw(c17.928,-10.096) C6.2@17.337,-9.505 ; C6.2@17.337,-8.939 ccw(c18.111,-8.165) 18.111,-9.26 cw(c18.111,-8.165) C6.2@17.337,-8.939 ; 18.029,-9.26 ccw(c18.029,-8.165) 18.803,-8.939 cw(c18.029,-8.165) 18.029,-9.26 ; 18.212,-9.26 cw(c18.212,-10.096) 18.803,-9.505 ccw(c18.212,-10.096) 18.212,-9.26 ; 18.511,-9.26 ccw(c18.511,-8.647) 18.945,-9.081 cw(c18.511,-8.647) 18.511,-9.26 ; v2@22.148,0.036 cw(c22.352,-0.168) 22.352,0.12 ccw(c22.352,-0.168) v2@22.148,0.036 ; v2@22.148,0.318 ccw(c22.627,0.797) 22.627,0.12 cw(c22.627,0.797) v2@22.148,0.318
  Bottom Layer w0.2: v1(17.054,-7.443) 17.054,-1.474 17.816,-0.712 21.118,-0.712 v2(22.007,0.177) 22.007,2.209 22.642,2.844 ; 22.352,2.54 23.622,3.81 v1(26.35,3.81) ; v1@26.173,3.633 ccw(c25.746,3.206) 25.746,3.81 ccw(c25.746,4.414) v1@26.173,3.987 ; 17.054,-6.839 cw(c16.45,-6.839) 16.877,-7.266 ccw(c16.45,-6.839) 17.054,-6.839 ; 17.054,-6.839 ccw(c17.658,-6.839) 17.231,-7.266 cw(c17.658,-6.839) 17.054,-6.839 ; 21.666,-0.164 cw(c22.007,-0.506) 22.007,-0.023 ccw(c22.007,-0.506) 21.666,-0.164 ; 21.666,-0.164 ccw(c21.324,0.177) 21.807,0.177 cw(c21.324,0.177) 21.666,-0.164 ; 22.007,0.66 cw(c21.524,0.66) 21.866,0.318 ccw(c21.524,0.66) 22.007,0.66 ; 22.007,0.66 ccw(c22.49,0.66) 22.148,0.318 cw(c22.49,0.66) 22.007,0.66
VINTA: C2.1 U1.20 | length 14.9
  Top Layer w0.2: U1.20 28.464,0.92 C2.1@31.004,-1.621 ; 29.643,-0.259 ccw(c31.278,1.377) 31.278,-0.936 cw(c31.278,1.377) 29.643,-0.259 ; 29.984,-0.6 ccw(c31.278,0.694) 31.278,-1.136 cw(c31.278,0.694) 29.984,-0.6 ; 30.325,-0.941 ccw(c31.278,0.011) 31.278,-1.336 cw(c31.278,0.011) 30.325,-0.941 ; 30.667,-1.283 ccw(c31.278,-0.672) 31.278,-1.536 cw(c31.278,-0.672) 30.667,-1.283
X32MI: U1.19 Y1.3 | length 14.2
  Top Layer w0.2: U1.19 28.268,0.52 29.42,-0.632 29.42,-4.061 30.022,-4.663 ; Y1.3 30.022,-4.663 ; 30.022,-4.663 cw(c29.819,-4.663) 29.882,-4.856 ccw(c29.819,-4.663) 30.022,-4.663 ; 30.022,-4.663 ccw(c30.225,-4.663) 30.162,-4.856 cw(c30.225,-4.663) 30.022,-4.663 ; 29.569,-4.21 cw(c28.763,-5.016) 29.873,-5.273 ccw(c28.763,-5.016) 29.569,-4.21 ; 29.824,-4.465 cw(c29.177,-5.112) 30.068,-5.318 ccw(c29.177,-5.112) 29.824,-4.465 ; 30.079,-4.72 cw(c29.591,-5.207) 30.263,-5.363 ccw(c29.591,-5.207) 30.079,-4.72
X32MO: U1.18 Y1.1 | length 13.7
  Top Layer w0.2: U1.18 28.033,0.12 28.865,-0.712 28.865,-6.041 Y1.1 ; Y1.1@27.822,-6.734 ccw(c27.822,-5.889) 28.419,-6.487 cw(c27.822,-5.889) Y1.1@27.822,-6.734 ; Y1.1@28.072,-7.184 cw(c28.917,-7.184) 28.319,-6.587 ccw(c28.917,-7.184) Y1.1@28.072,-7.184 ; Y1.1@28.272,-7.184 cw(c29.6,-7.184) 28.661,-6.245 ccw(c29.6,-7.184) Y1.1@28.272,-7.184
pads on no net: E1.0 P4.3 Y1.2 Y1.4

## Polygon pours and split planes (outlines as drawn)
GND on Top Layer "Top Layer-No Net" (solid, remove dead copper): 7.62,15.02 33.528,15.02 33.528,-14.97 7.62,-14.97
GND on Bottom Layer "Top Layer-No Net" (solid, remove dead copper): 7.62,15.02 33.528,15.02 33.528,-14.97 7.62,-14.97

## Keep-outs
Keep-Out Layer:
  the board outline again, w0.1

## Silkscreen, mask and mechanical layers (free items; w line width, h text height)
Top Overlay:
  lines w0.1: -7.25,-12.192 -7.25,12.192 7.25,12.192 7.25,-12.192 -7.25,-12.192
  text "天线部分不喷锡" at 3.556,19.812 h5
  text "+" at -2.54,13.208 h2 r90
  text "BATTERY3V7" at 5.334,5.334 h2 r270
  text "1200mAH" at 3.556,3.302 h2 r270
  text "TYPE_14250" at 1.61,-11.87 h1
  text "--" at -3.22,-13.45 h2 r180
  text "2020/6/15" at 2.54,-14.478 h1
Bottom Overlay:
  circle w0.091: c0.132,8.491 r0.905
  circle w0.091: c-2.041,3.989 r0.707
  circle w0.091: c-2.041,-2.621 r0.707
  region: 0.171,9.401 0.171,7.623 2.076,7.623 2.076,9.401
  lines w0.071: -2.494,8.533 -1.136,8.533 ; -1.734,10.671 -0.773,9.71 ; -1.643,6.396 -0.683,7.356 ; 0.223,5.726 0.223,7.084 ; 0.223,9.891 0.223,11.25 ; 2.788,-9.9 2.794,-9.906
  lines w0.143: -2.038,6.01 -2.038,5.627 ccw(c-1.461,4.006) -1.461,2.286 ccw(c-1.461,0.656) -1.461,-0.974 ccw(c-1.461,-2.604) -1.461,-4.234 -1.461,-6.511 -1.551,-6.601 ccw(c-0.14,-9.254) 2.794,-9.906 ; -2.022,6.018 cw(c0.152,8.378) 3.275,9.113 ; 2.034,9.076 3.275,9.076 ; 2.034,7.899 3.301,7.899 ; 2.788,-9.9 2.788,6.544 ccw(c0.155,8.378) 3.32,7.851
  text "CK_BLE_V0.1" at -4.826,7.62 h3 r90
  text "XiaoWenlg" at 0.903,4.478 h2.6 r90
  text "+" at -1.588,4.278 h0.86 r90
  text "-" at -1.588,-2.332 h0.86 r90

## Dimensions
40.41,15.02 to 40.41,-14.97 on Mechanical 1
-7.65,15.02 to 40.41,15.02 on Mechanical 1